# Altium PCB TimeDrive.PcbDoc (part 1 of 4)
Units mil, origin at the board's own origin, x right, y up, seen from the top; angles counter-clockwise.
Board outline 866.1 x 4330 mil, 10 copper layers (L01_SIG, L02_GND, L03_SIG, L04_GND, L05_PWR, L06_PWR, L07_GND, L08_SIG, L09_GND, L10_SIG), stack 29.74 mil thick; 308 components, 309 nets, 1055 pads, 605 vias.
Unrouted connection lines stored in the file: 13.
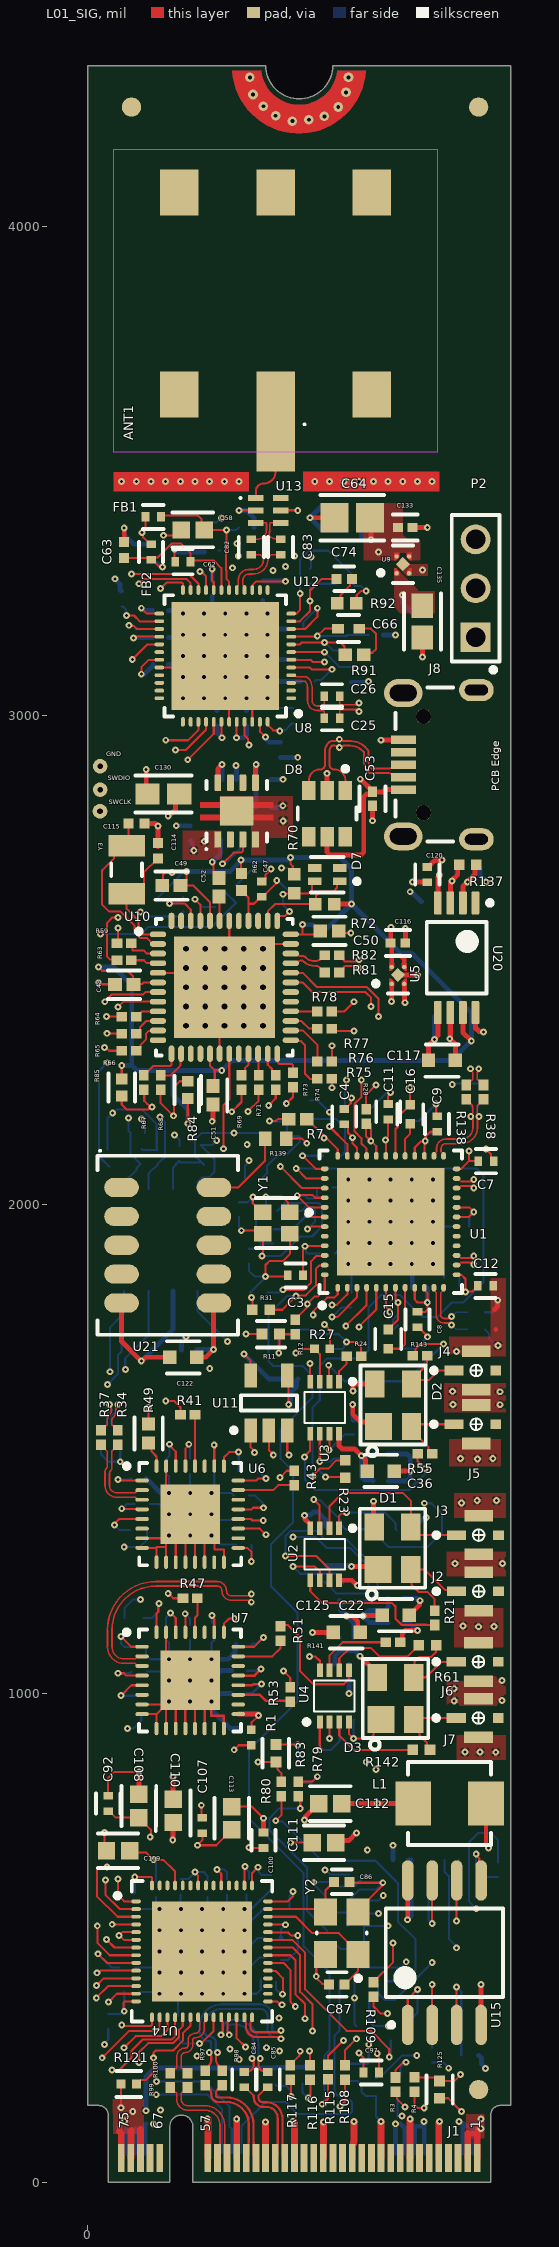
[diagram p0: L01_SIG view]
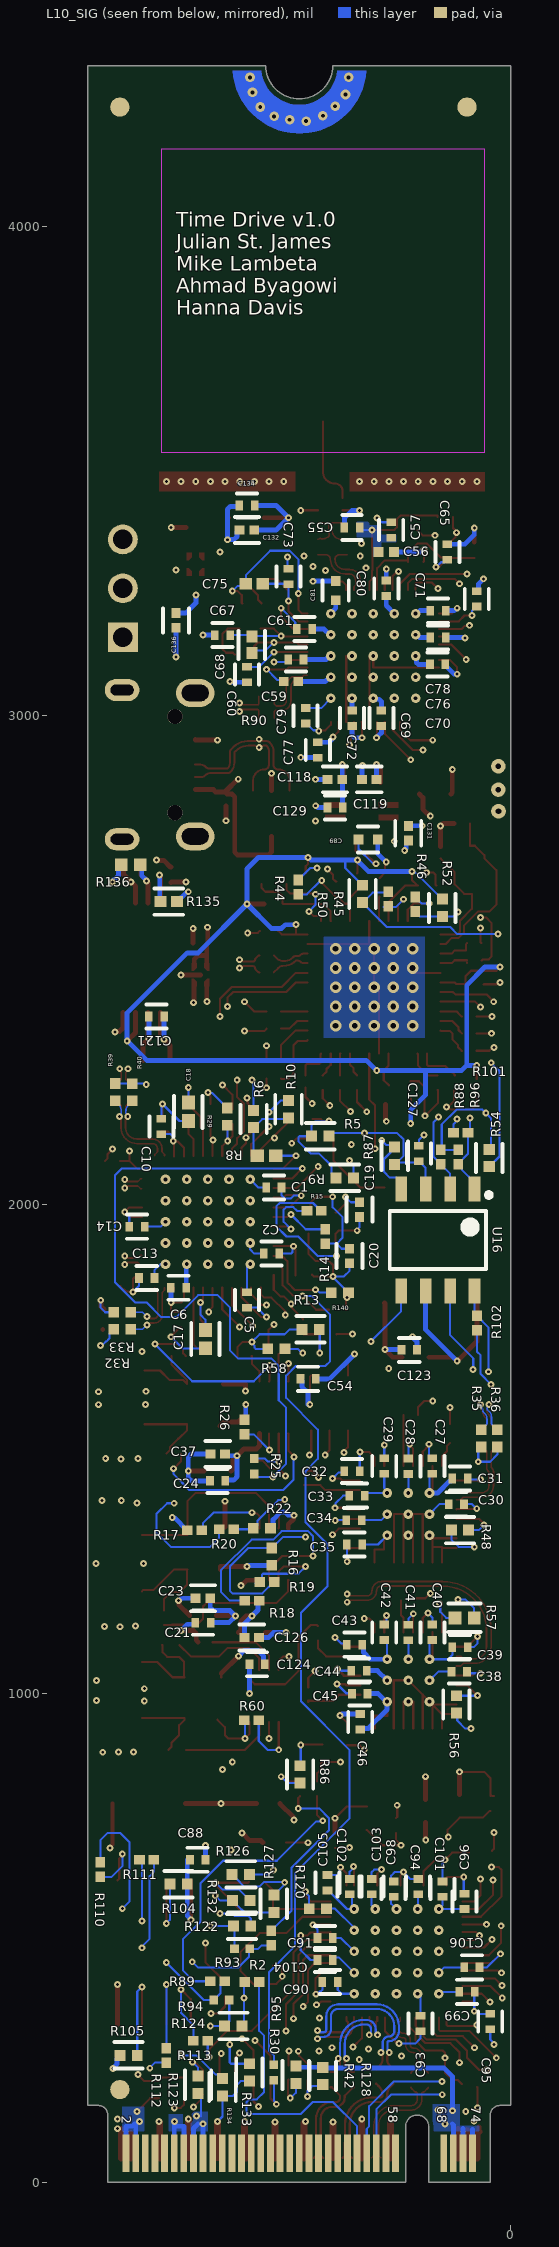
[diagram p1: L10_SIG view, seen from below]
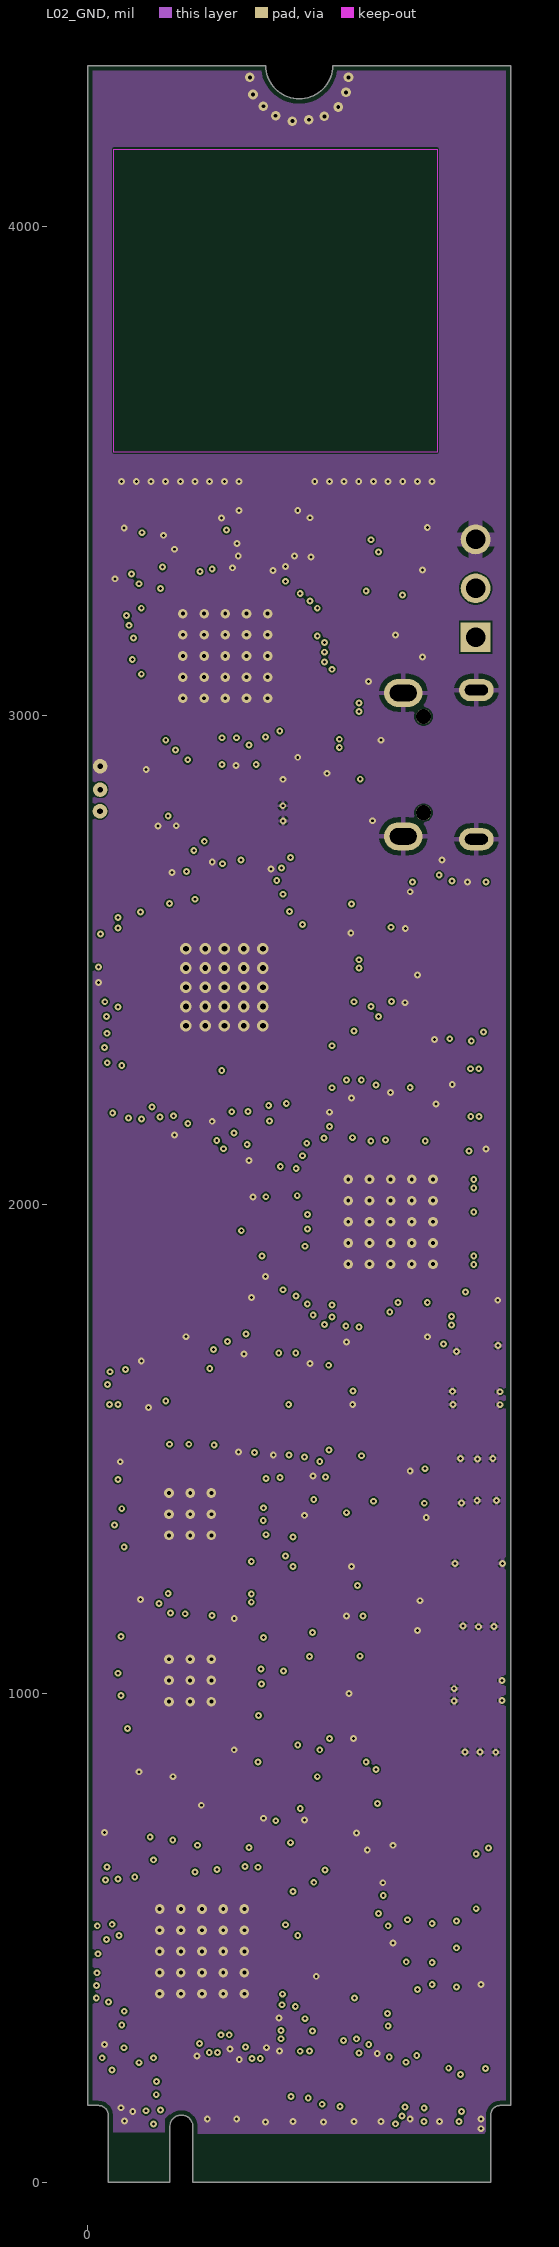
[diagram p2: L02_GND]
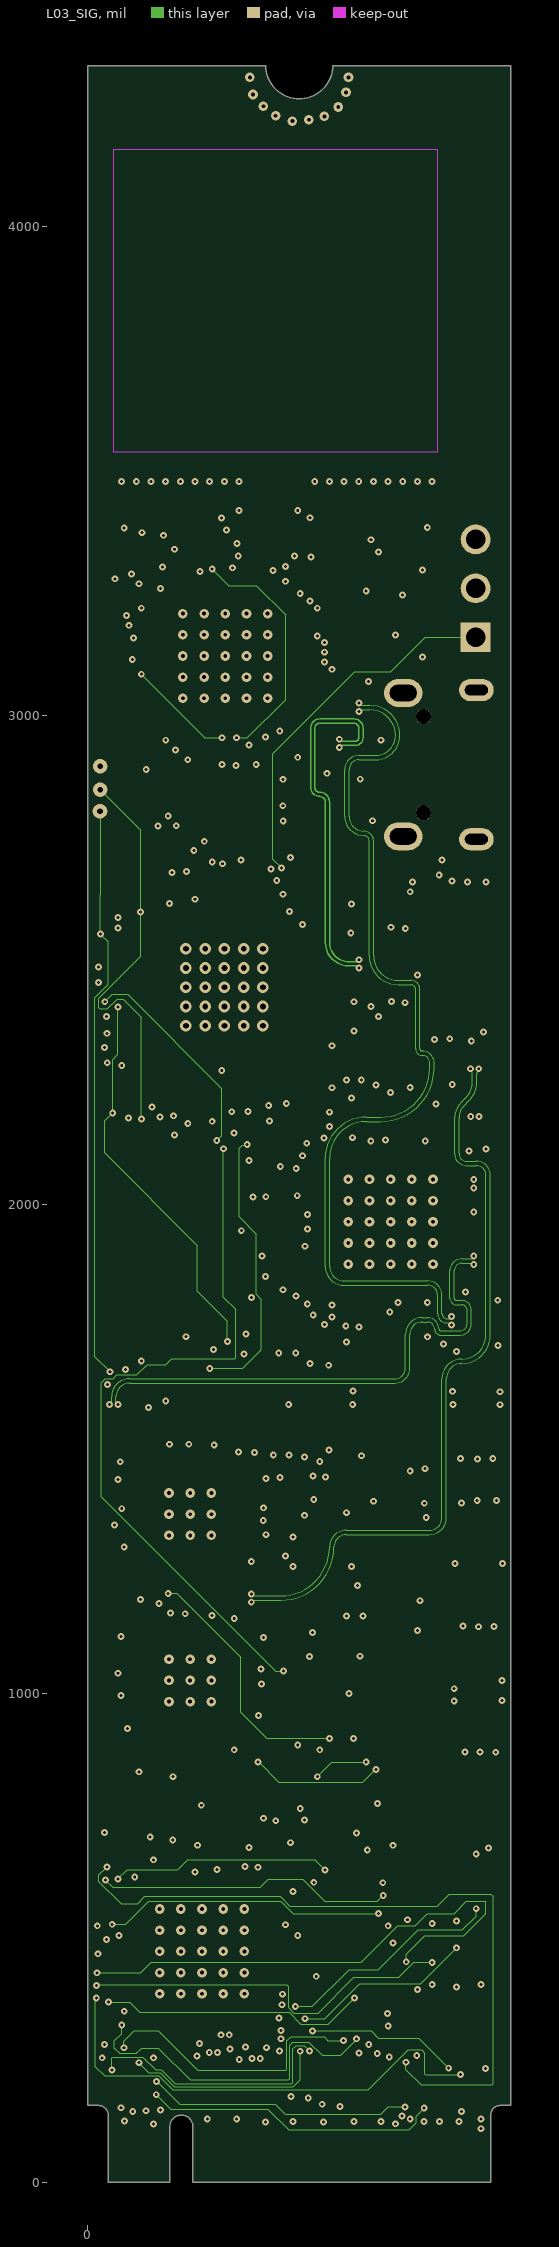
[diagram p3: L03_SIG]
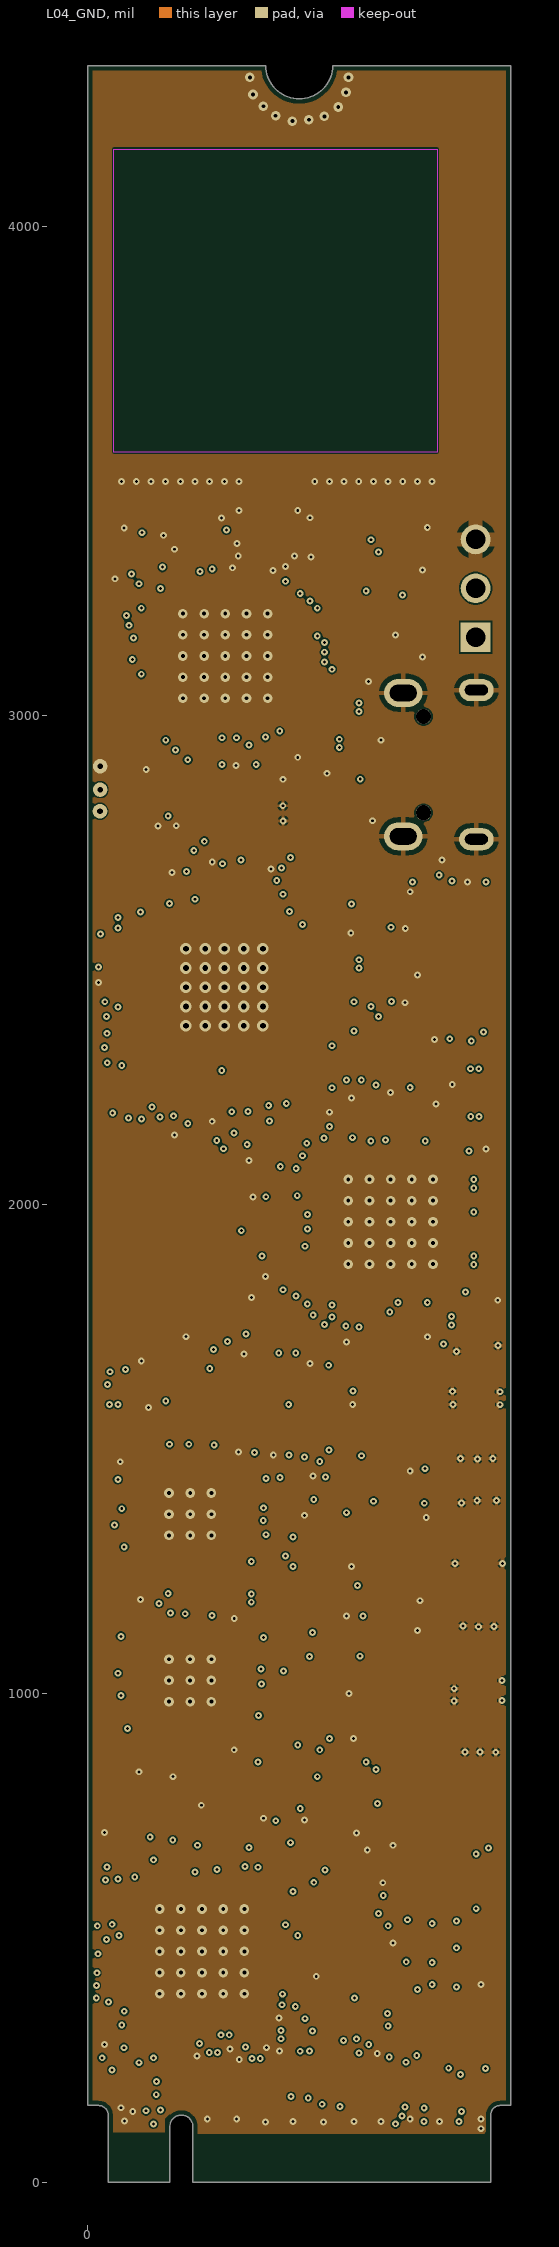
[diagram p4: L04_GND]
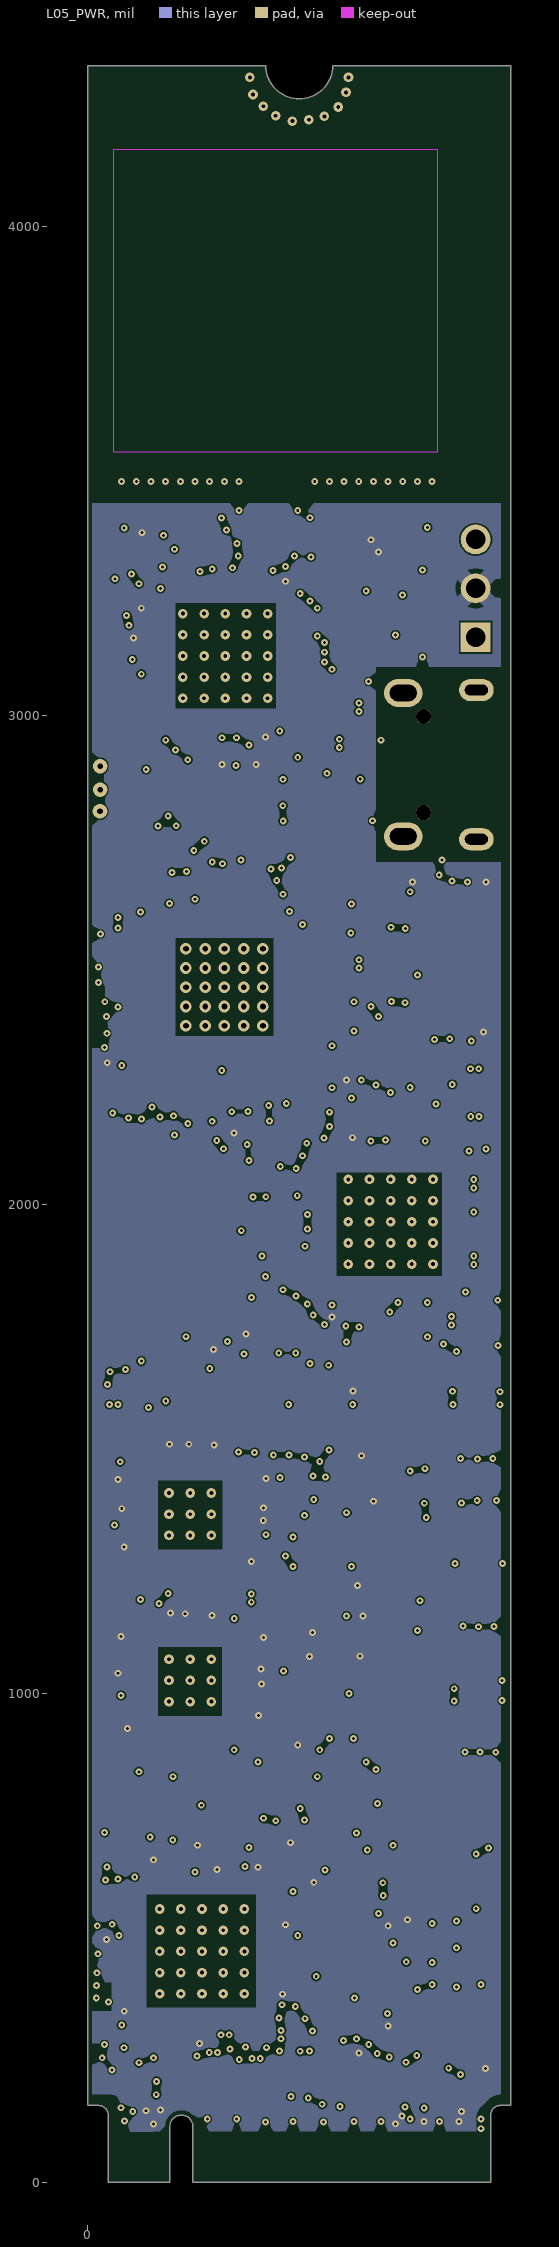
[diagram p5: L05_PWR]
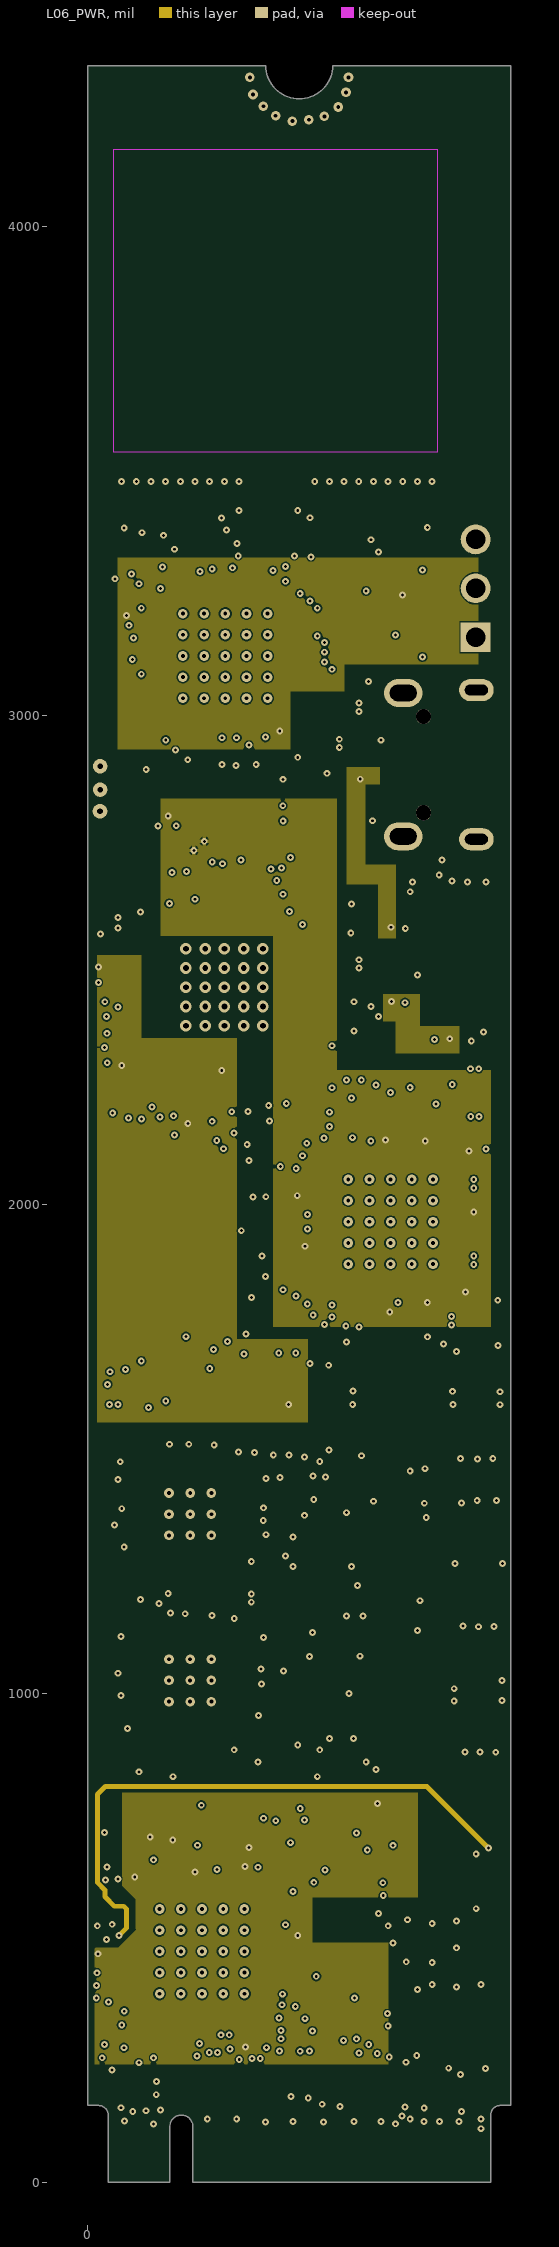
[diagram p6: L06_PWR]
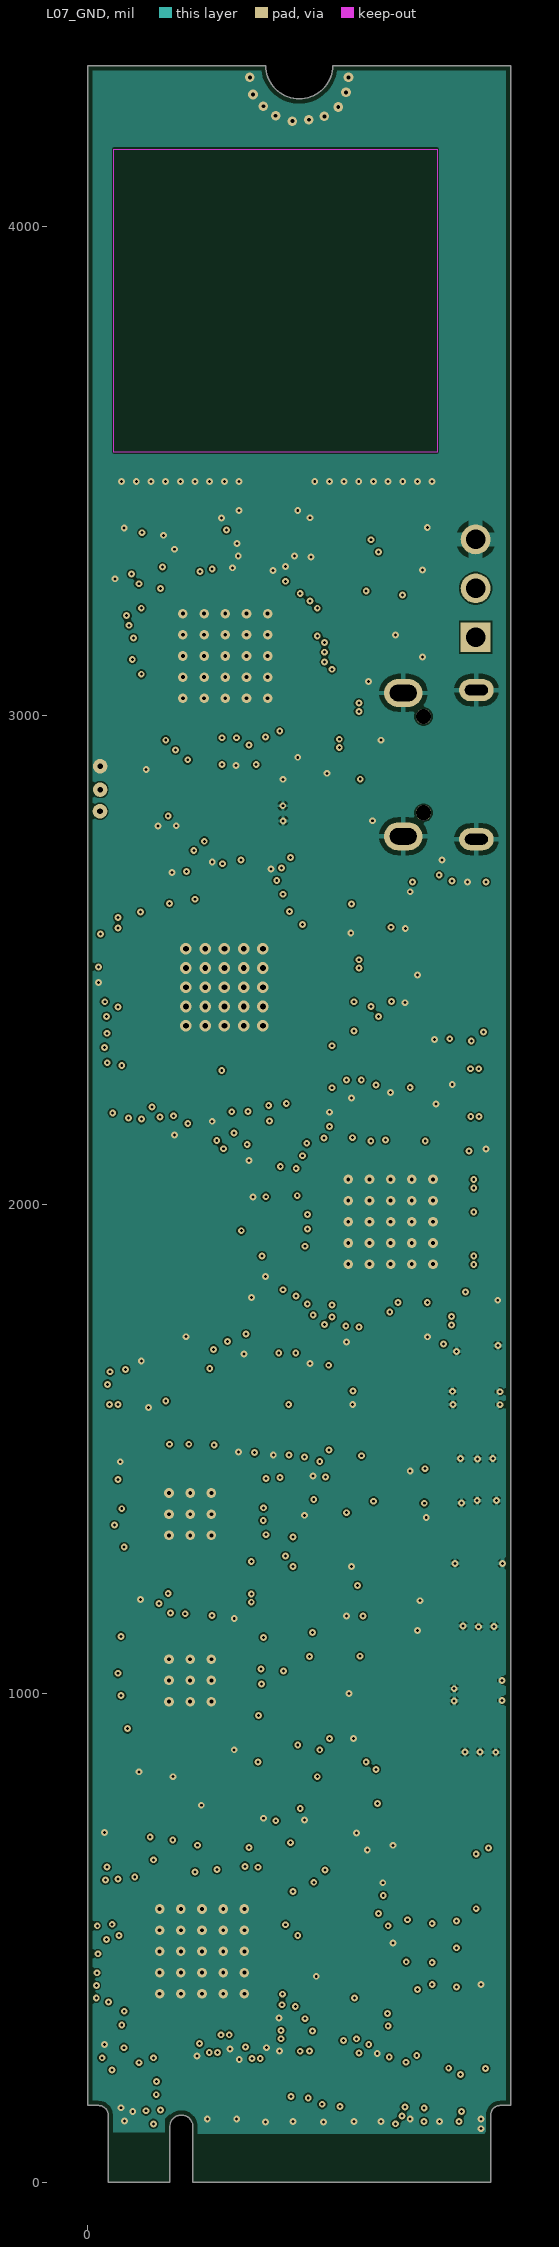
[diagram p7: L07_GND]
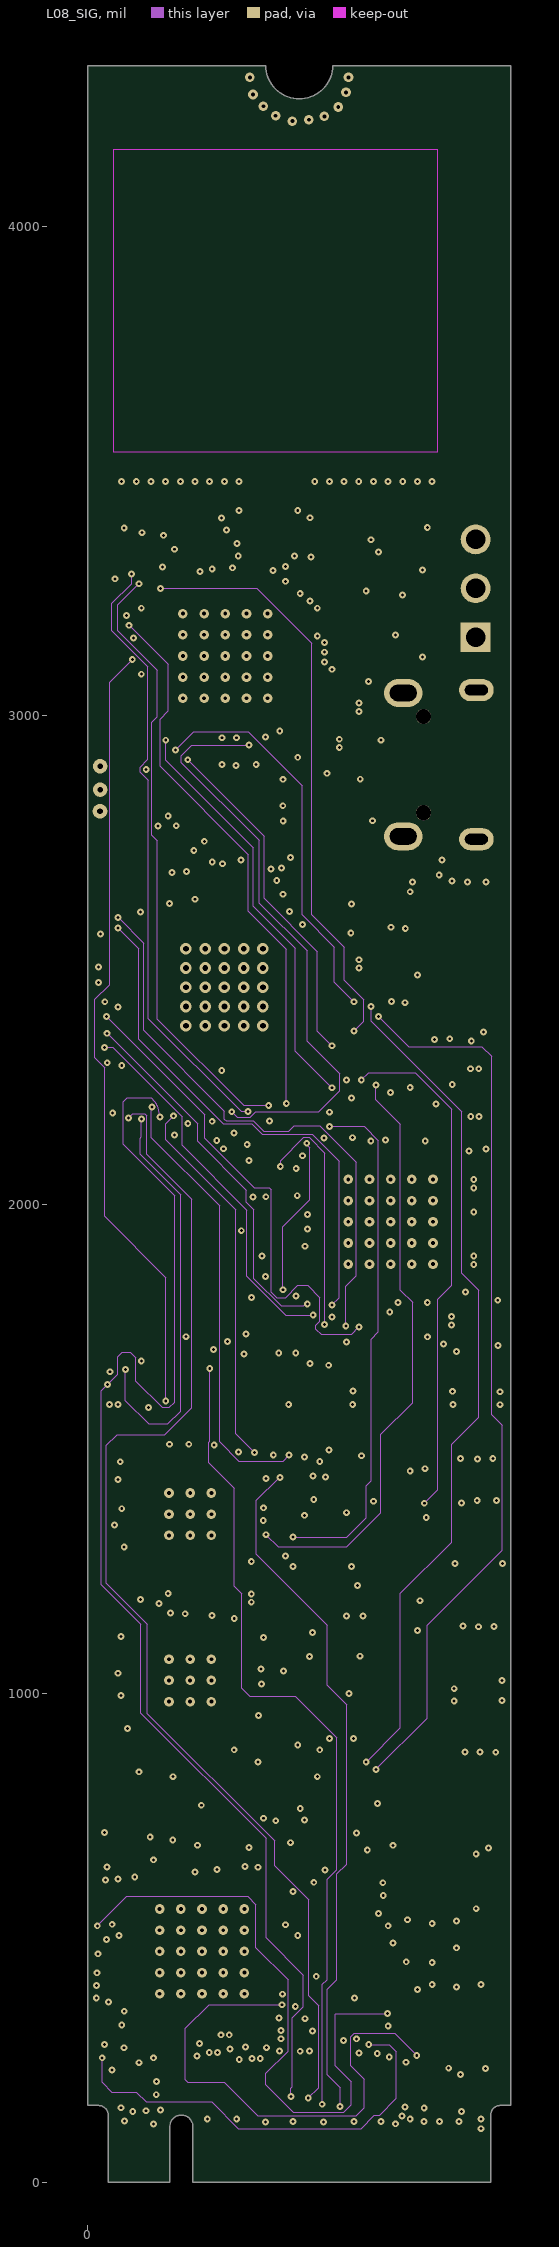
[diagram p8: L08_SIG]
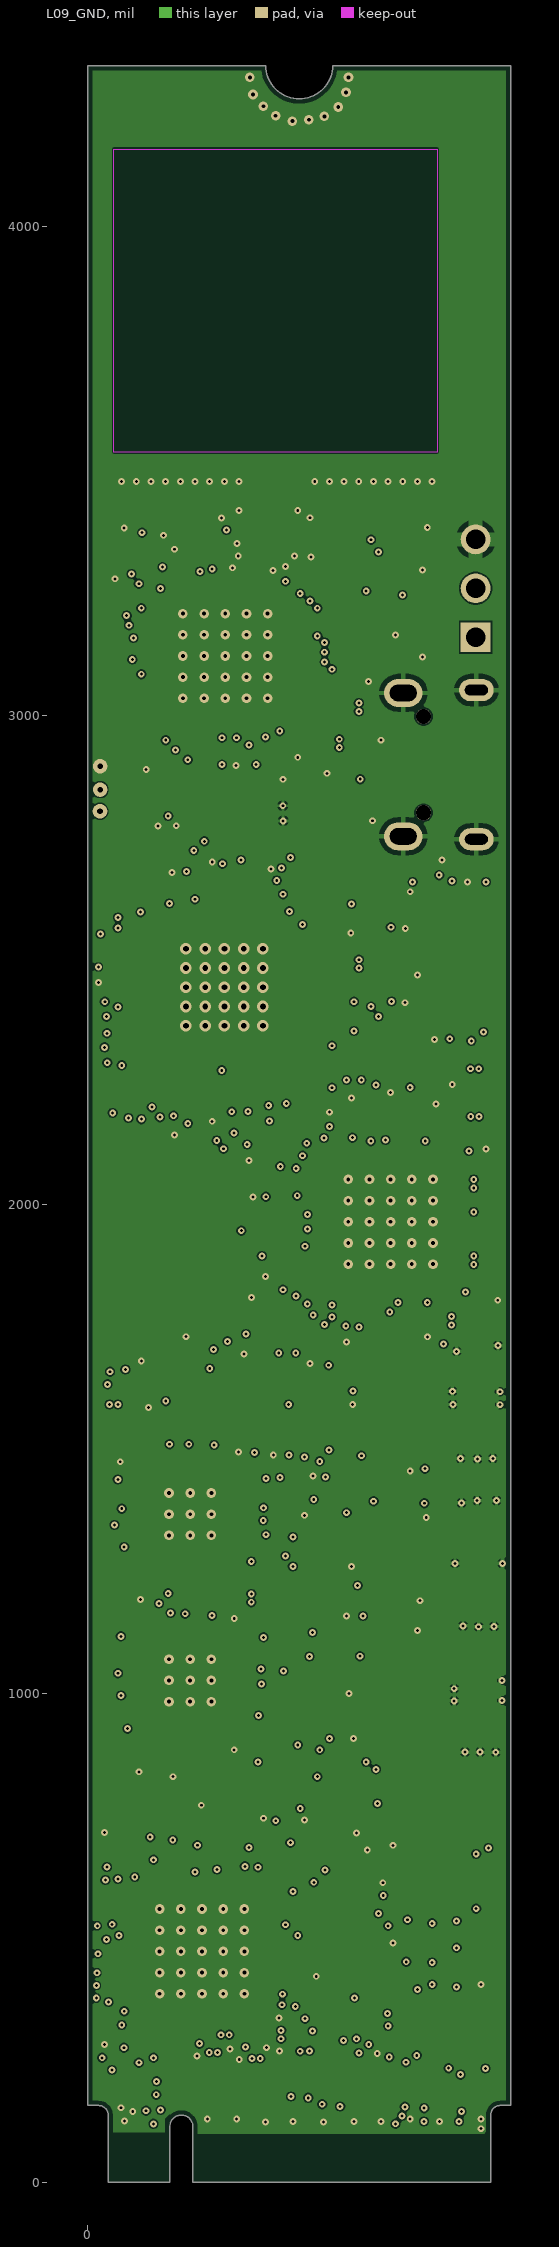
[diagram p9: L09_GND]
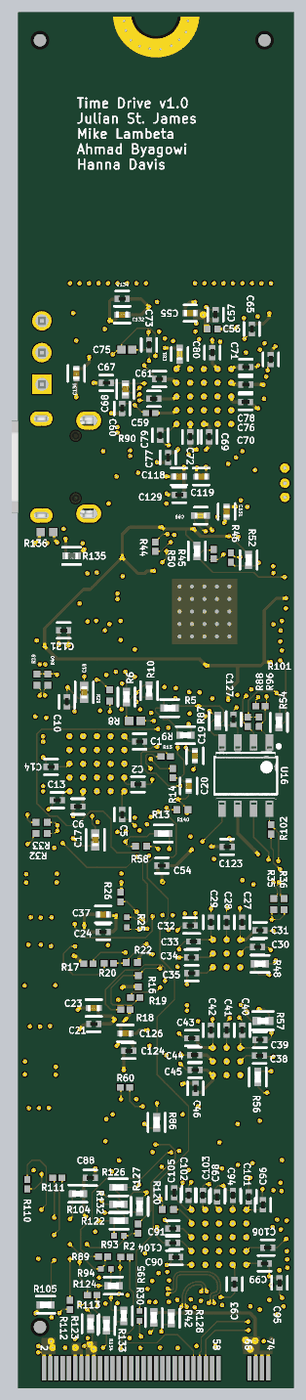
[diagram p13: 3D render of the assembled board from below, using the file's embedded part models]

## Layer stack, top to bottom
Top Solder: solder mask 0.7, Solder Resist, Dk 4.1
L01_SIG: signal copper 1.6
Dielectric 2: core 2.36, Core-001, Dk 3.43
L02_GND: signal copper 0.7
Dielectric 4: prepreg 2, PP-001, Dk 3.55
L03_SIG: signal copper 0.7
Dielectric 6: core 2.6, PP-001, Dk 3.61
L04_GND: signal copper 0.7
Dielectric 7: prepreg 2, PP-003, Dk 3.55
L05_PWR: signal copper 0.7
Dielectric 1: core 3.02, Core-017, Dk 3.61
L06_PWR: signal copper 0.7
Dielectric 8: prepreg 2, PP-003, Dk 3.55
L07_GND: signal copper 0.7
Dielectric 9: core 2.6, PP-001, Dk 3.61
L08_SIG: signal copper 0.7
Dielectric 5: prepreg 2, PP-001, Dk 3.55
L09_GND: signal copper 0.7
Dielectric 3: core 2.36, Core-001, Dk 3.43
L10_SIG: signal copper 1.6
Bottom Solder: solder mask 0.7, Solder Resist, Dk 4.1

## Board outline
42.28,0 168.34,0 168.34,114.17 cw(c191.96,114.17) 215.58,114.17 215.54,114.17 215.54,0 824.74,0 824.74,137.8 824.73,138.26 cw(c843.96,138.26) 843.96,157.49 843.5,157.48 866.1,157.48 866.1,4330 501.9,4330 cw(c433,4330.71) 364.11,4330 363.97,4330 0,4330 0,157.48 22.6,157.48 cw(c22.6,137.8) 42.28,137.8

## Design rules (kind name [scope] priority, off if disabled: settings)
AcuteAngle [All] p1: minimum=6.00000000000000E+0001 checktracksonly=FALSE
BoardOutlineClearance [All] p1: gap=10 ignorepadtopadclearanceinfootprint=FALSE
Clearance [All] p1: gap=3 ignorepadtopadclearanceinfootprint=FALSE
DiffPairsRouting 90ohm_differential [InDifferentialPairClass('90ohm')] p1: maxlimit=6 minlimit=5 mostfreqgap=5 toplayer_mingap=5.25 toplayer_maxgap=5.25 toplayer_prefgap=5.25 toplayer_minwidth=4 toplayer_maxwidth=4 toplayer_prefwidth=4 midlayer2_prefgap=5.8 midlayer2_minwidth=2.5 midlayer2_maxwidth=3.5 midlayer2_prefwidth=2.7 midlayer7_prefgap=5.8 midlayer7_minwidth=2.5 midlayer7_maxwidth=3.5 midlayer7_prefwidth=2.7 bottomlayer_mingap=5.25 bottomlayer_maxgap=5.25 bottomlayer_prefgap=5.25 bottomlayer_minwidth=4 bottomlayer_maxwidth=4 bottomlayer_prefwidth=4 impedanceprofiledriven=TRUE impedanceprofileid={096416B8-8681-450C-BFCC-6EF7CAA0F298} impedanceprofilevalue=90.000000 maxuncoupledlength=215
DiffPairsRouting 100ohm_differential [InDifferentialPairClass('100ohm')] p2: maxlimit=10 minlimit=6 mostfreqgap=6 toplayer_maxgap=6 toplayer_minwidth=3.25 toplayer_maxwidth=3.25 toplayer_prefwidth=3.25 midlayer2_mingap=6.7 midlayer2_maxgap=6.7 midlayer2_prefgap=6.7 midlayer2_minwidth=2.3 midlayer2_maxwidth=2.3 midlayer2_prefwidth=2.3 midlayer7_mingap=6.7 midlayer7_maxgap=6.7 midlayer7_prefgap=6.7 midlayer7_minwidth=2.3 midlayer7_maxwidth=2.3 midlayer7_prefwidth=2.3 bottomlayer_maxgap=6 bottomlayer_minwidth=3.25 bottomlayer_maxwidth=3.25 bottomlayer_prefwidth=3.25 impedanceprofiledriven=TRUE impedanceprofileid={2B024E49-C2BB-40EB-BAA8-1748799589E4} impedanceprofilevalue=100.000000 maxuncoupledlength=200
DiffPairsRouting 85ohm_differential [InDifferentialPairClass('85ohm')] p3: maxlimit=10 minlimit=5 mostfreqgap=5 toplayer_maxgap=5 toplayer_minwidth=4.5 toplayer_maxwidth=4.5 toplayer_prefwidth=4.5 midlayer2_mingap=6.2 midlayer2_maxgap=6.2 midlayer2_prefgap=6.2 midlayer2_minwidth=2.8 midlayer2_maxwidth=2.8 midlayer2_prefwidth=2.8 midlayer7_mingap=6.2 midlayer7_maxgap=6.2 midlayer7_prefgap=6.2 midlayer7_minwidth=2.8 midlayer7_maxwidth=2.8 midlayer7_prefwidth=2.8 bottomlayer_maxgap=5 bottomlayer_minwidth=4.5 bottomlayer_maxwidth=4.5 bottomlayer_prefwidth=4.5 impedanceprofiledriven=TRUE impedanceprofileid={57996DDD-F769-4194-9CA9-414B63F8F6BF} impedanceprofilevalue=85.000000 maxuncoupledlength=200
HoleSize [All] p1: absolutevalues=TRUE maxlimit=100 minlimit=5.9 maxpercent=80.000 minpercent=20.000
HoleToHoleClearance [All] p1: gap=5.9 allowstackedmicrovias=TRUE
MatchedLengths [InDifferentialPairClass('All Differential Pairs')] p1: tolerance=50 checknetsindiffpair=TRUE checkdiffpairvsdiffpair=FALSE checkxsignals=FALSE checkothers=FALSE
MinimumAnnularRing [All] p1: minimumring=4
MinimumSolderMaskSliver [All] p1: minsoldermaskwidth=3
PlaneClearance [All] p1: clearance=5
PlaneConnect [All] p1: planeconnectstyle=Direct reliefexpansion=20 reliefentries=4 reliefconductorwidth=10 reliefairgap=10
PolygonConnect [All] p1: connectstyle=Direct reliefconductorwidth=10 reliefentries=4 polygonreliefangle="90 Angle" airgapwidth=10
RoutingVias [All] p1: holewidth=5.9 width=14 viastyle="Through Hole" minholewidth=5.9 minwidth=13.9 maxholewidth=50 maxwidth=50
SilkToSilkClearance [All] p1: silktosilkclearance=5
SilkToSolderMaskClearance [IsPad] p1: minsilkscreentomaskgap=4 clearancetoexposedcopper=TRUE
SolderMaskExpansion [All] p1: expansion=4 istentingtop=FALSE
UnRoutedNet [All] p1: checkbadconnections=TRUE
Width [All] p1: maxlimit=50 minlimit=2.2 preferedwidth=5 toplayer_minwidth=3 toplayer_maxwidth=15 toplayer_prefwidth=4.25 midlayer1_minwidth=3 midlayer2_maxwidth=15 midlayer2_prefwidth=2.2 midlayer3_minwidth=3 midlayer4_minwidth=3 midlayer4_prefwidth=3.15 midlayer5_minwidth=3 midlayer5_prefwidth=3.15 midlayer6_minwidth=3 midlayer7_maxwidth=15 midlayer7_prefwidth=2.2 midlayer8_minwidth=3 bottomlayer_minwidth=3 bottomlayer_maxwidth=15 bottomlayer_prefwidth=4.25 minimp=50.000000 maximp=50.000000 favimp=50.000000
21 further rules are at their usual default settings.

## Classes and differential pairs
differential pair class 85ohm: I225_M2_PCIE_TX_3 M2_I225_PCIE_RX_3 PCIE_RX_R_14 PCIE_TX_C_14
differential pair class 100ohm: DPLL_9513_1PPS_0_8 DPLL_9513_1PPS_1_9 DPLL_OUT_0A_4 DPLL_OUT_0B_4 DPLL_OUT_1A_4 DW1000_38P4MHz_CLK_11 DW1000_RF_11 M2_I225_PCIE_CLK_3 PCIE_CLK_R_14
differential pair class 90ohm: SAMD_USB_D_10 USB_R_10
differential pair USB_R: +USB_R_P -USB_R_N
differential pair SAMD_USB_D: +SAMD_USB_D_P -SAMD_USB_D_N
differential pair PCIE_TX_C: +PCIE_TX_C_P -PCIE_TX_C_N
differential pair PCIE_RX_R: +PCIE_RX_R_P -PCIE_RX_R_N
differential pair PCIE_CLK_R: +PCIE_CLK_R_P -PCIE_CLK_R_N
differential pair M2_I225_PCIE_RX: +M2_I225_PCIE_RX_P -M2_I225_PCIE_RX_N
differential pair M2_I225_PCIE_CLK: +M2_I225_PCIE_CLK_P -M2_I225_PCIE_CLK_N
differential pair I225_M2_PCIE_TX: +I225_M2_PCIE_TX_P -I225_M2_PCIE_TX_N
differential pair DW1000_RF: +DW1000_RF_P -DW1000_RF_N
differential pair DW1000_38P4MHz_CLK: +DW1000_38P4MHz_CLK_P -DW1000_38P4MHz_CLK_N
differential pair DPLL_OUT_1A: +DPLL_OUT_1A_P -DPLL_OUT_1A_N
differential pair DPLL_OUT_0B: +DPLL_OUT_0B_P -DPLL_OUT_0B_N
differential pair DPLL_OUT_0A: +DPLL_OUT_0A_P -DPLL_OUT_0A_N
differential pair DPLL_9513_1PPS_1: +DPLL_9513_1PPS_1_P -DPLL_9513_1PPS_1_N
differential pair DPLL_9513_1PPS_0: +DPLL_9513_1PPS_0_P -DPLL_9513_1PPS_0_N
